# KiCad board minako.kicad_pcb
title: minako (美奈子); date: 2022-01-25; rev: 0.3; company: <3
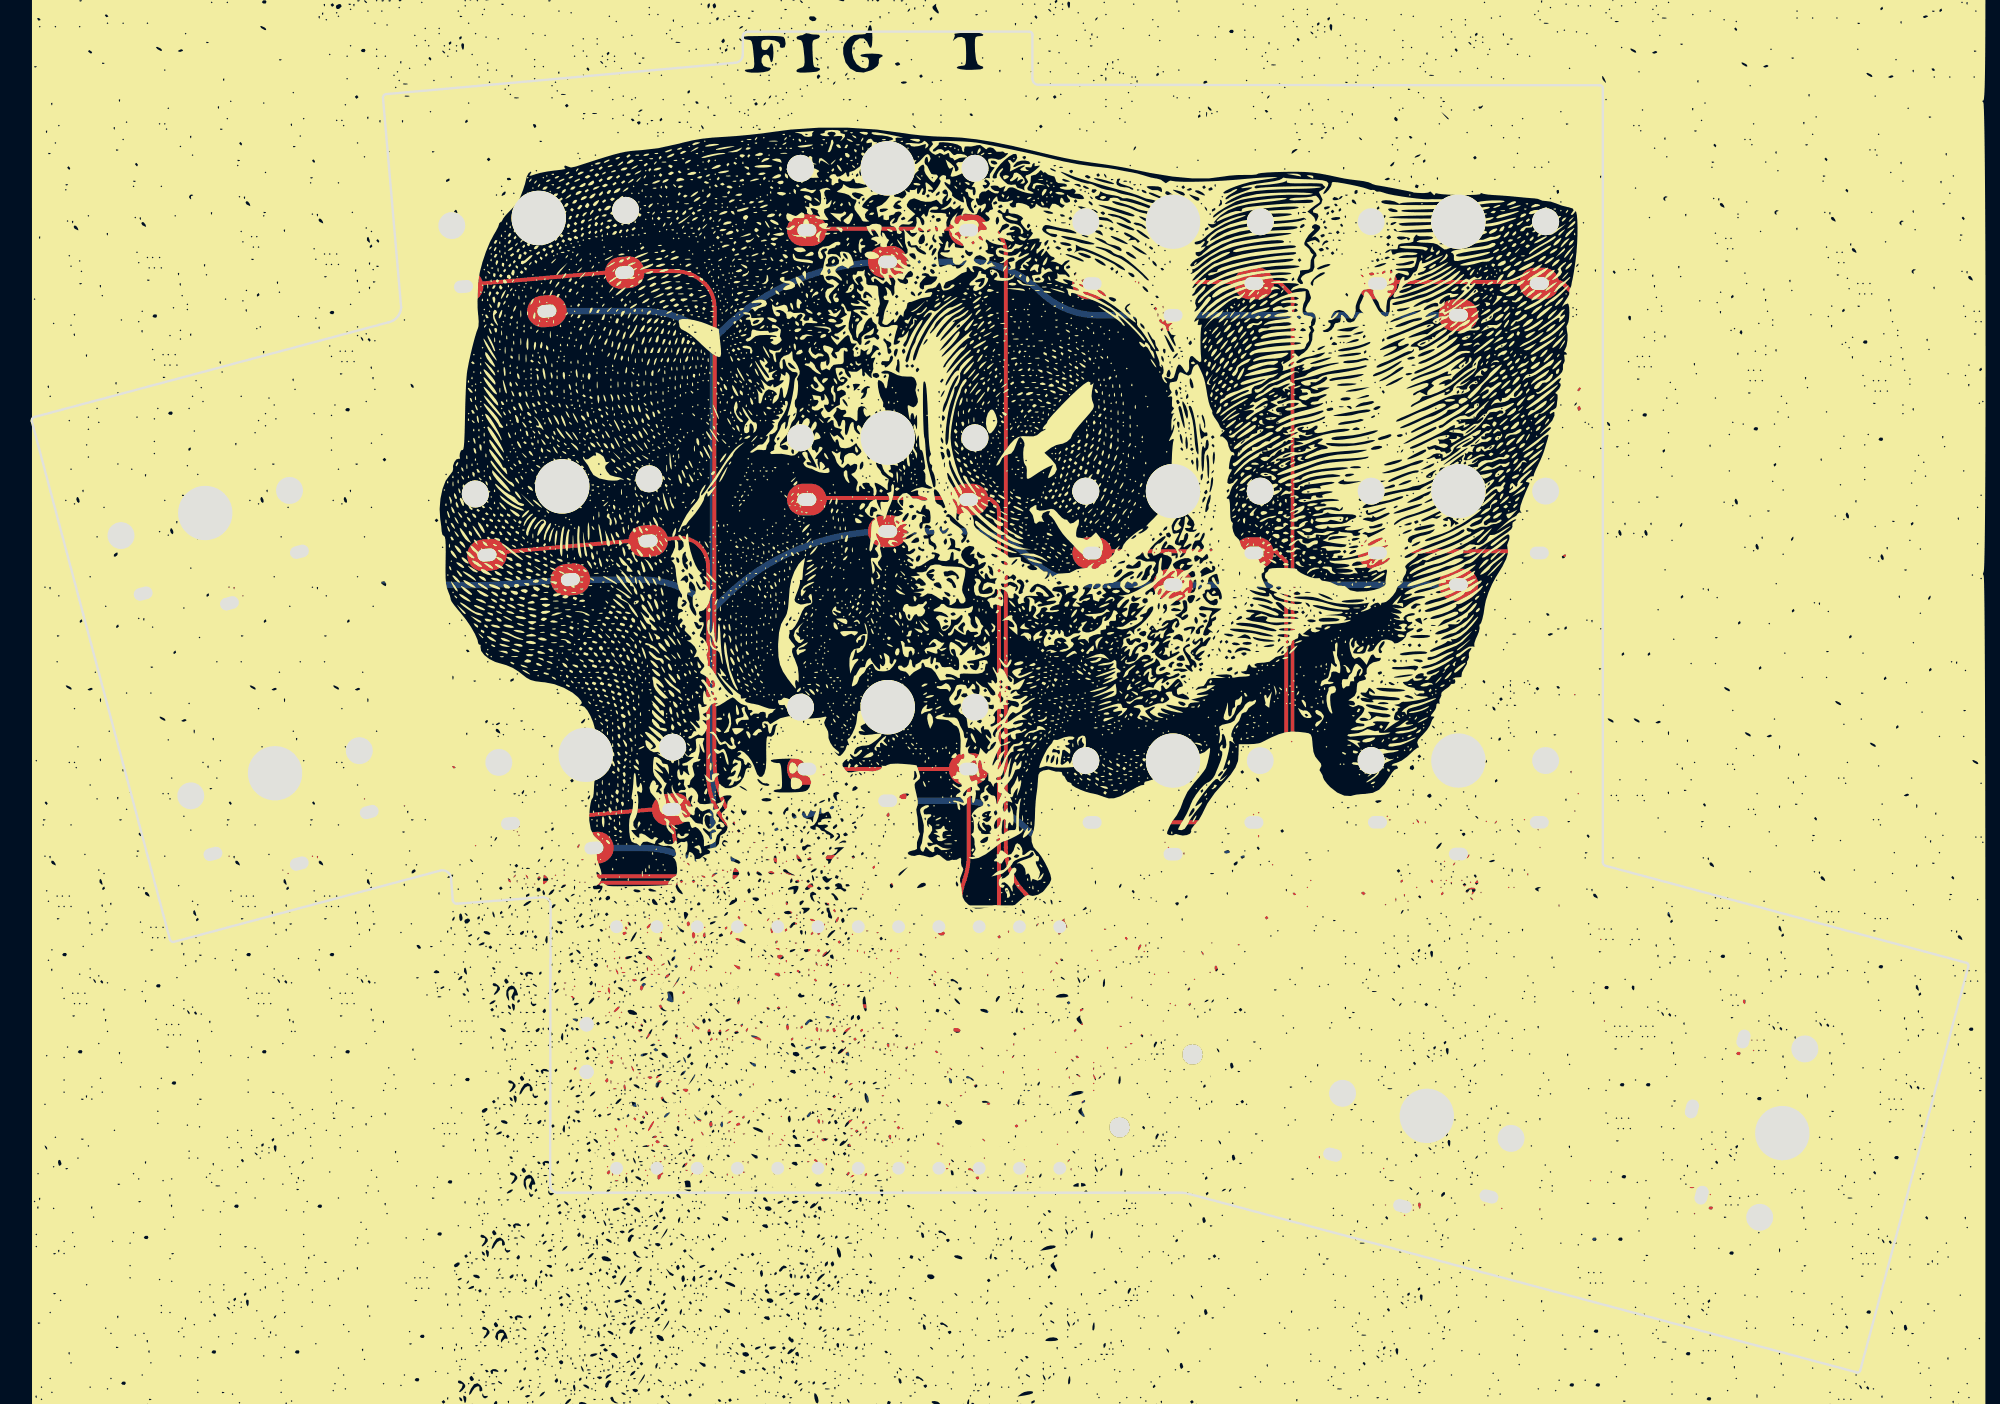
[diagram p0: board, top side]
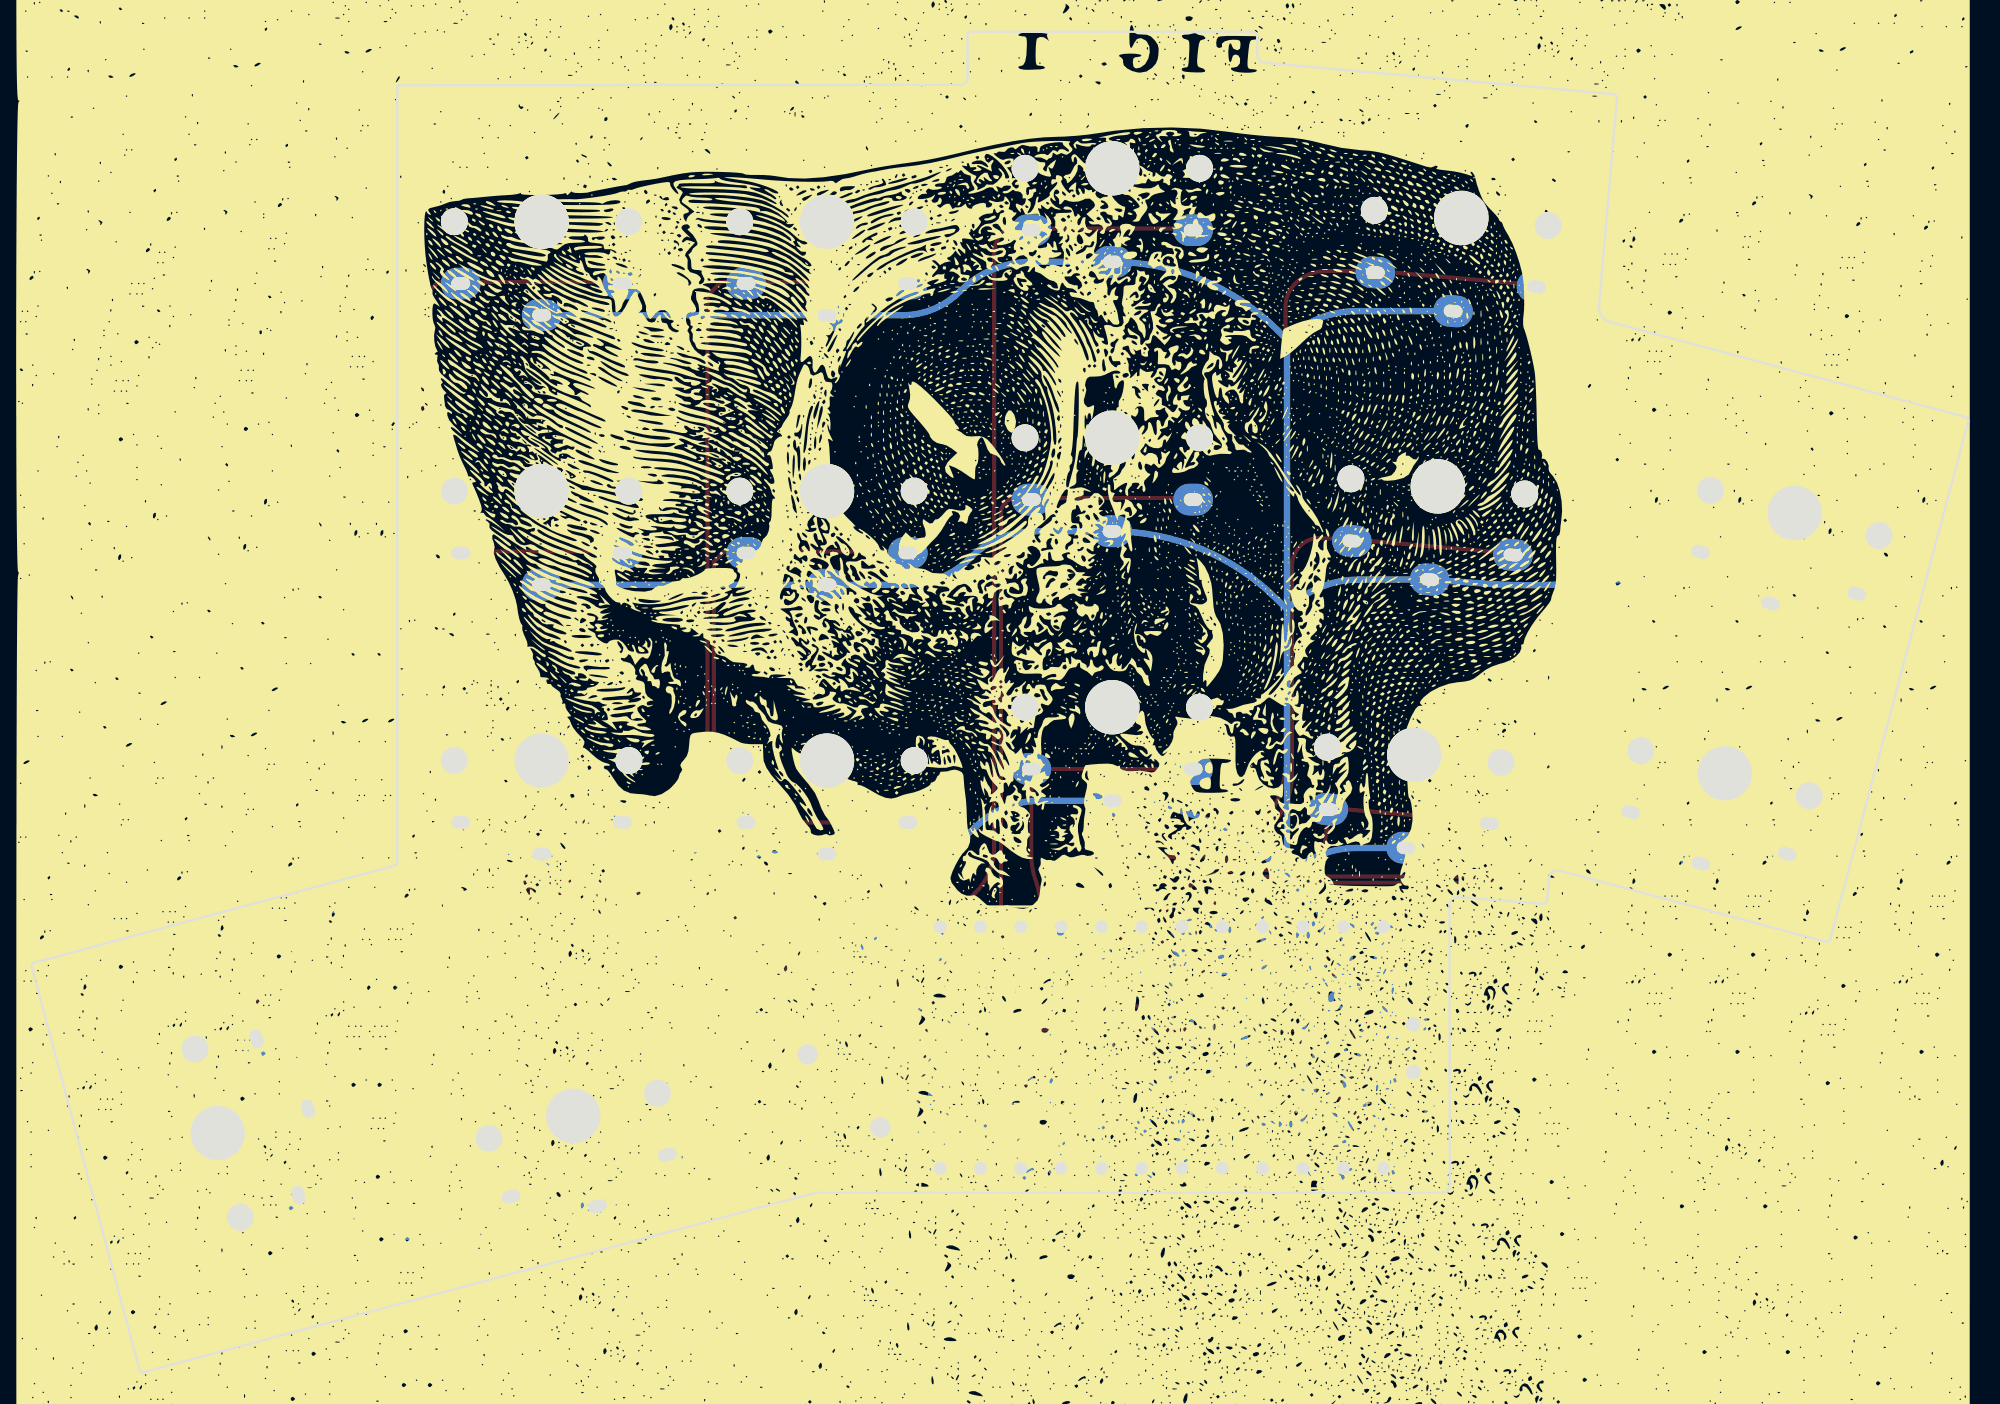
[diagram p1: board, bottom side, seen from below]

Outline 122.1 x 84.58 mm; copper layers: Top, Bottom. Coordinates in mm from the lower left corner of the outline.
Outline path: 0,60.02 arc(0.04,60.18) 0.18,60.27 22.48,66.24 arc(23.05,66.57) 23.29,67.18 22.15,80.39 arc(22.19,80.56) 22.35,80.65 44.33,82.62 arc(44.68,82.76) 44.83,83.11 44.83,84.27 arc(44.94,84.5) 45.18,84.58 62.88,84.58 arc(63.04,84.53) 63.09,84.38 63.09,81.61 arc(63.23,81.32) 63.53,81.23 98.83,81.2 arc(98.99,81.16) 99.06,81 99.06,32.18 arc(99.11,32.04) 99.24,31.95 122,25.83 arc(122.1,25.73) 122.1,25.58 115.29,0.13 arc(115.21,0.01) 115.06,0 72.97,11.25 arc(72.76,11.3) 72.54,11.33 33.15,11.33 arc(32.82,11.49) 32.69,11.84 32.72,29.54 arc(32.52,29.88) 32.13,29.97 26.82,29.57 arc(26.63,29.63) 26.54,29.82 26.44,31.14 arc(26.21,31.57) 25.73,31.65 8.94,27.15 arc(8.8,27.19) 8.71,27.31 0,60.02
Stack: Top 0.035mm / dielectric 1.51mm FR4 er 4.5 / Bottom 0.035mm

## Placement (name value [footprint] x y rotation side)
BT1  Battery_Cell  [Battery_pads_reversible]  68.41 27.51 0 top
G***  -  [LOGO]  61.54 44.88 0 top
G***#2  -  [LOGO]  61.54 44.88 180 bottom
PSW1  SW_SPDT  [Power_reversible]  34.98 20.45 270 top
SW1  SW_PUSH  [Choc_reversible]  10.94 54.22 15 top
SW2  SW_PUSH  [Choc_reversible]  31.97 72.83 5 top
SW3  SW_PUSH  [Choc_reversible]  53.97 75.96 0 top
SW4  SW_PUSH  [Choc_reversible]  71.96 72.59 0 top
SW5  SW_PUSH  [Choc_reversible]  89.95 72.59 0 top
SW6  SW_PUSH  [Choc_reversible]  15.34 37.8 15 top
SW7  SW_PUSH  [Choc_reversible]  33.45 55.89 5 top
SW8  SW_PUSH  [Choc_reversible]  53.97 58.96 0 top
SW9  SW_PUSH  [Choc_reversible]  71.96 55.59 0 top
SW10  SW_PUSH  [Choc_reversible]  89.95 55.59 0 top
SW11  SW_PUSH  [Choc_reversible]  34.93 38.96 5 top
SW12  SW_PUSH  [Choc_reversible]  53.97 41.96 0 top
SW13  SW_PUSH  [Choc_reversible]  71.96 38.59 0 top
SW14  SW_PUSH  [Choc_reversible]  89.95 38.6 0 top
SW15  SW_PUSH  [Choc_reversible_15u]  87.96 16.18 345 top
SW16  SW_PUSH  [Choc_reversible_15u]  110.37 15.09 255 top
SW17  SW_Push  [ResetSW]  70.89 17.75 225 top
U1  ProMicro  [ProMicro_jumpers]  50.85 20.49 90 top

## Library data of the parts
BT1 = -: Field4: BT01
PSW1 = -: Field4: SW01
SW17 = -: Field4: RESET; Field5: RESET

## Footprints (pads in the part's own frame, mm; a bottom-side part is the same pattern mirrored in y, then rotated)
Battery_pads_reversible
  rect 1.5x2.1 smd: 1(-1.1,0) 2(1.1,0)
  rect 1.5x2.1 smd far side: 1(-1.1,0) 2(1.1,0)
Choc_reversible
  round 1.702 hole 1.702 unplated: (-5.5,0) (5.5,0)
  round 3.429 hole 3.429 unplated: (0,0)
  oval 2.5x2 hole 1.2x0.8: 1(-5.1,-3.9) 1(5.1,-3.9) 2(0,-5.9)
Choc_reversible_15u
  round 1.702 hole 1.702 unplated: (-5.5,0) (5.5,0)
  round 3.429 hole 3.429 unplated: (0,0)
  oval 2.5x2 hole 1.2x0.8: 1(-5.1,-3.9) 1(5.1,-3.9) 2(0,-5.9)
Power_reversible
  rect 1x0.8 smd: (-3.65,1.1) (-3.65,-1.1) (3.65,1.1) (3.65,-1.1)
  rect 1x0.8 smd far side: (-3.65,1.1) (-3.65,-1.1) (3.65,1.1) (3.65,-1.1)
  round 0.9 hole 0.9 unplated: (-1.5,0) (-1.5,0) (1.5,0) (1.5,0)
  rect 0.7x1.5 smd: 1(-2.25,1.75) 2(0.75,1.75) 3(2.25,1.75)
  rect 0.7x1.5 smd far side: 1(2.25,1.75) 2(-0.75,1.75) 3(-2.25,1.75)
ProMicro_jumpers
  round 1.6 hole 0.813: (-7.62,13.97) (-7.62,11.43) (-7.62,8.89) (-7.62,6.35) (-7.62,3.81) (-7.62,1.27) (-7.62,-1.27) (-7.62,-3.81) (-7.62,-6.35) (-7.62,-8.89) (-7.62,-11.43) (-7.62,-13.97) (7.62,13.97) (7.62,11.43) (7.62,8.89) (7.62,6.35) (7.62,3.81) (7.62,1.27) (7.62,-1.27) (7.62,-3.81) (7.62,-6.35) (7.62,-8.89) (7.62,-11.43) (7.62,-13.97)
  custom 1x0.25 smd: (-6.35,13.97) (-6.35,11.43) (-6.35,8.89) (-6.35,6.35) (-6.35,3.81) (-6.35,1.27) (-6.35,-1.27) (-6.35,-3.81) (-6.35,-6.35) (-6.35,-8.89) (-6.35,-11.43) (-6.35,-13.97) (6.35,13.97) (6.35,11.43) (6.35,8.89) (6.35,6.35) (6.35,3.81) (6.35,1.27) (6.35,-1.27) (6.35,-3.81) (6.35,-6.35) (6.35,-8.89) (6.35,-11.43) (6.35,-13.97)
  custom 1x0.25 smd far side: (-6.35,13.97) (-6.35,11.43) (-6.35,8.89) (-6.35,6.35) (-6.35,3.81) (-6.35,1.27) (-6.35,-1.27) (-6.35,-3.81) (-6.35,-6.35) (-6.35,-8.89) (-6.35,-11.43) (-6.35,-13.97) (6.35,13.97) (6.35,11.43) (6.35,8.89) (6.35,6.35) (6.35,3.81) (6.35,1.27) (6.35,-1.27) (6.35,-3.81) (6.35,-6.35) (6.35,-8.89) (6.35,-11.43) (6.35,-13.97)
  custom 0.8x1.2 smd: (-5.842,13.97) (-5.842,11.43) (-5.842,8.89) (-5.842,6.35) (-5.842,3.81) (-5.842,1.27) (-5.842,-1.27) (-5.842,-3.81) (-5.842,-6.35) (-5.842,-8.89) (-5.842,-11.43) (-5.842,-13.97) (5.842,13.97) (5.842,11.43) (5.842,8.89) (5.842,6.35) (5.842,3.81) (5.842,1.27) (5.842,-1.27) (5.842,-3.81) (5.842,-6.35) (5.842,-8.89) (5.842,-11.43) (5.842,-13.97)
  custom 0.8x1.2 smd far side: (-5.842,13.97) (-5.842,11.43) (-5.842,8.89) (-5.842,6.35) (-5.842,3.81) (-5.842,1.27) (-5.842,-1.27) (-5.842,-3.81) (-5.842,-6.35) (-5.842,-8.89) (-5.842,-11.43) (-5.842,-13.97) (5.842,13.97) (5.842,11.43) (5.842,8.89) (5.842,6.35) (5.842,3.81) (5.842,1.27) (5.842,-1.27) (5.842,-3.81) (5.842,-6.35) (5.842,-8.89) (5.842,-11.43) (5.842,-13.97)
  custom 1.25x1.2 smd far side: 1(-4.826,13.97) 2(-4.826,11.43) 3(-4.826,8.89) 4(-4.826,6.35) 5(-4.826,3.81) 6(-4.826,1.27) 7(-4.826,-1.27) 8(-4.826,-3.81) 9(-4.826,-6.35) 10(-4.826,-8.89) 11(-4.826,-11.43) 12(-4.826,-13.97) 13(4.826,-13.97) 14(4.826,-11.43) 15(4.826,-8.89) 16(4.826,-6.35) 17(4.826,-3.81) 18(4.826,-1.27) 19(4.826,1.27) 20(4.826,3.81) 21(4.826,6.35) 22(4.826,8.89) 23(4.826,11.43) 24(4.826,13.97)
  custom 1.25x1.2 smd: 1(4.826,13.97) 2(4.826,11.43) 3(4.826,8.89) 4(4.826,6.35) 5(4.826,3.81) 6(4.826,1.27) 7(4.826,-1.27) 8(4.826,-3.81) 9(4.826,-6.35) 10(4.826,-8.89) 11(4.826,-11.43) 12(4.826,-13.97) 13(-4.826,-13.97) 14(-4.826,-11.43) 15(-4.826,-8.89) 16(-4.826,-6.35) 17(-4.826,-3.81) 18(-4.826,-1.27) 19(-4.826,1.27) 20(-4.826,3.81) 21(-4.826,6.35) 22(-4.826,8.89) 23(-4.826,11.43) 24(-4.826,13.97)
ResetSW
  round 2 hole 1.3: 1(3.25,0) 2(-3.25,0)

## Nets
GND: PSW1.2 SW1.2 SW2.2 SW3.2 SW4.2 SW5.2 SW6.2 SW7.2 SW8.2 SW9.2 SW10.2 SW11.2 SW12.2 SW13.2 SW14.2 SW15.2 SW16.2 SW17.2 U1.3 U1.4 U1.23
VCC: U1.21
raw: BT1.1 U1.24
reset: SW17.1 U1.22
switch1: SW1.1 U1.6
switch2: SW2.1 U1.9
switch3: SW3.1 U1.12
switch4: SW4.1 U1.18
switch5: SW5.1 U1.15
switch6: SW6.1 U1.5
switch7: SW7.1 U1.8
switch8: SW8.1 U1.11
switch9: SW9.1 U1.19
switch10: SW10.1 U1.16
switch11: SW11.1 U1.7
switch12: SW12.1 U1.10
switch13: SW13.1 U1.20
switch14: SW14.1 U1.17
switch15: SW15.1 U1.13
switch16: SW16.1 U1.14
Net-(BT1-Pad2): BT1.2 PSW1.1

Pads without a net: PSW1 3; U1 1 2

## Via types
v1: diameter 0.8, hole 0.4, Top to Bottom, 32 vias

## Routing (per net, layer and track width the routed paths; a pad name or vN(x,y) marks a point on that pad's centre or on a via; arc(x,y) is an arc through that point)
GND: length 356.8
  Top w0.4: v1(35.58,20.45) 36.19,19.85 arc(36.35,19.74) 36.54,19.7 PSW1.2 37.03,19.7 arc(37.22,19.66) 37.38,19.56 38.31,18.64 arc(38.47,18.53) 38.66,18.49 40.38,18.49 arc(40.57,18.45) 40.73,18.34 v1(41.96,17.12) 40.6,15.76 arc(40.44,15.66) 40.25,15.62 39.42,15.62 ; 44.5,25.27 41.96,25.27 42.02,25.27 arc(42.18,25.24) 42.33,25.17 43,24.49 v1(43,24.33)
  Bottom w0.4: 42.95,31.27 41.46,29.77 arc(40.89,28.92) 40.69,27.92 40.69,24.94 ; 42.95,31.27 43.34,31.66 arc(48.22,34.92) SW12.2 58.53,36.06 arc(60.76,35.62) 62.65,34.35 arc(64.46,33.14) 66.6,32.72 ; 42.95,31.27 42.95,48.13 ; 42.95,31.27 arc(40.94,32.61) 38.57,33.08 SW11.2 30.51,32.64 arc(28.87,32.63) 27.25,32.89 26.36,33.11 arc(23.42,33.47) 20.48,33.07 SW6.2 ; SW17.2 73.19,23.25 arc(72.4,27.2) 70.17,30.54 68,32.72 66.6,32.72 ; 44.5,15.62 42.46,15.62 arc(42.1,15.76) 41.96,16.12 v1(41.96,17.12) 41.88,17.19 41.88,22.26 arc(42,22.83) 42.32,23.32 43,23.99 v1(43,24.33) 43,24.45 42.91,24.53 arc(42.84,24.55) 42.77,24.57 41.48,24.57 arc(41.1,24.64) 40.77,24.86 40.69,24.94 ; 39.42,25.27 39.97,24.72 arc(40.1,24.62) 40.26,24.57 40.32,24.57 40.69,24.94 ; SW2.2 38.6,66.95 arc(40.96,66.48) 42.95,65.15 ; 42.95,48.13 43.57,48.75 arc(48.34,51.94) SW8.2 58.9,53.06 arc(61.06,52.63) 62.89,51.41 arc(64.79,50.14) 67.03,49.69 SW9.2 89.95,49.69 SW10.2 ; 42.95,48.13 42.95,65.15 ; 42.95,48.13 arc(40.87,49.53) 38.4,50.02 SW7.2 30.59,49.77 arc(27.36,49.66) 24.13,49.82 23.29,49.9 arc(18.98,49.9) 14.75,49.14 SW1.2 ; SW15.2 93.62,8.7 arc(97.12,8.39) 100.55,9.15 arc(102.52,10.53) 103.65,12.66 SW16.2 105.91,21.27 arc(106.19,23.69) 105.77,26.09 arc(104.65,28.02) 102.83,29.33 97.65,31.57 arc(95,32.41) 92.23,32.7 SW14.2 89.95,32.69 SW13.2 71.94,32.72 66.6,32.72 ; 42.95,65.15 43.54,65.74 arc(48.33,68.94) SW3.2 59.07,70.06 arc(61.51,69.58) 63.58,68.19 arc(65.24,67.08) 67.21,66.69 SW4.2 89.95,66.69 SW5.2 ; v1(35.58,20.45) 36.19,21.06 arc(36.35,21.16) 36.54,21.2 PSW1.2
VCC: length 10.9
  Top w0.4: 44.5,15.62 45.45,16.57 arc(45.55,16.71) 45.6,16.86 45.6,18.6 v1(45.62,18.62) 45.62,18.45 45.63,18.43
  Bottom w0.4: 45.64,18.8 45.62,18.78 v1(45.62,18.62) 45.6,18.63 45.6,23.96 arc(45.56,24.15) 45.46,24.31 44.5,25.27
raw: length 46.1
  Top w0.4: v1(40.05,17.62) 39.84,17.62 38.28,16.06 arc(37.8,15.73) 37.22,15.62 36.88,15.62 ; v1(67.31,27.51) 67.31,23.16 arc(67.25,22.85) 67.08,22.59 66.41,21.92 arc(66.15,21.75) 65.84,21.69 v1(40.23,21.69)
  Bottom w0.4: 36.88,25.27 37.5,24.65 arc(37.66,24.54) 37.85,24.5 39.11,24.5 arc(39.3,24.47) 39.47,24.36 40.07,23.75 arc(40.18,23.59) 40.22,23.4 40.22,17.99 arc(40.18,17.8) 40.07,17.64 v1(40.05,17.62)
reset: length 44.5
  Top w0.25: v1(66.42,15.44) 68.58,15.44 SW17.1 ; v1(66.32,23.11) 66.29,23.09 v1(44.81,23.09) ; v1(43.86,16.62) 43.01,15.76 arc(42.85,15.66) 42.65,15.62 41.96,15.62
  Bottom w0.25: v1(66.32,23.11) 66.32,15.54 v1(66.42,15.44) ; v1(43.86,16.62) 44.57,17.33 arc(44.74,17.59) 44.81,17.89 44.81,23.15 arc(44.74,23.45) 44.57,23.71 43.01,25.27 41.96,25.27
switch1: length 72.6
  Top w0.25: 49.58,25.27 49.58,25.11 arc(49.54,24.92) 49.43,24.76 v1(48.94,24.27) 48.49,24.72 arc(48.32,24.98) 48.26,25.28 48.26,28.11 arc(48.13,28.75) 47.77,29.29 47.22,29.85 arc(45.62,30.91) 43.74,31.29 30.84,31.29 arc(30.07,31.44) 29.41,31.88 27.82,33.47 arc(27.2,34.35) 26.9,35.38 25.42,48.11 arc(24.73,49.9) 23.27,51.15 22.35,51.59 arc(20.4,52.17) 18.37,52.09 SW1.1 SW1.1
  Bottom w0.25: v1(48.94,24.27) 48.94,17.12 48.94,16.46 arc(48.98,16.27) 49.09,16.11 49.58,15.62
switch2: length 78.4
  Top w0.25: 27.32,68.61 37.28,69.48 40.52,69.48 arc(41.56,69.27) 42.44,68.69 arc(42.89,68.01) 43.05,67.2 43.05,59.08 43.05,59.07 43.05,38.59 arc(43.52,36.18) 44.89,34.14 arc(46.7,32.93) 48.84,32.51 50.61,32.51 arc(52.51,32.13) 54.11,31.06 54.91,30.25 arc(55.61,29.21) 55.85,27.98 55.85,25.31 arc(55.92,25) 56.09,24.74 v1(56.56,24.27) 57.05,24.76 arc(57.16,24.92) 57.2,25.11 57.2,25.27
  Bottom w0.25: 57.2,15.62 56.71,16.11 arc(56.6,16.27) 56.56,16.46 v1(56.56,24.27)
switch3: length 70.8
  Top w0.25: 48.97,72.16 60.3,72.16 arc(60.61,72.1) 60.86,71.93 arc(61.27,71.31) 61.42,70.59 61.42,33.12 arc(61.73,31.57) 62.6,30.26 62.65,30.21 arc(63.28,29.27) 63.5,28.16 63.5,25.17 arc(63.56,24.86) 63.73,24.6 v1(64.11,24.23) 64.58,24.7 arc(64.76,24.96) 64.82,25.27 64.82,25.27
  Bottom w0.25: 64.82,15.62 64.38,16.05 arc(64.27,16.21) 64.24,16.41 64.24,24.1 v1(64.11,24.23)
switch4: length 91.6
  Top w0.25: 66.96,68.79 78.63,68.79 79.5,67.92 79.5,32.89 arc(79.45,32.66) 79.32,32.47 66.84,19.99 arc(66.64,19.86) 66.42,19.81 56.2,19.81 arc(55.97,19.77) 55.77,19.64 v1(52.75,16.62) 52.26,16.13 arc(52.16,15.97) 52.12,15.78 52.12,15.62
  Bottom w0.25: 52.12,25.27 52.61,24.78 arc(52.71,24.62) 52.75,24.43 v1(52.75,16.62)
switch5: length 101.4
  Top w0.25: 59.74,15.62 59.74,15.78 arc(59.78,15.97) 59.88,16.13 v1(60.37,16.62) 62.19,18.44 arc(62.39,18.57) 62.62,18.62 66.91,18.62 arc(67.14,18.66) 67.34,18.79 78.56,30.02 arc(78.76,30.15) 78.99,30.19 93.99,30.19 arc(94.22,30.24) 94.41,30.37 97.4,33.36 arc(97.53,33.55) 97.58,33.78 97.58,67.34 97.58,67.42 97.55,67.57 97.49,67.72 97.4,67.85 97.35,67.91 96.69,68.56 96.64,68.61 96.5,68.7 96.36,68.76 96.2,68.79 96.13,68.79 84.95,68.79
  Bottom w0.25: v1(60.37,16.62) 60.37,24.43 arc(60.33,24.62) 60.23,24.78 59.74,25.27
switch6: length 52.2
  Top w0.25: 47.04,25.27 47.04,25.11 arc(47,24.92) 46.89,24.76 v1(46.4,24.27) 46.01,24.67 arc(45.83,24.93) 45.77,25.23 45.77,28.09 arc(45.62,28.84) 45.2,29.48 45.15,29.52 arc(43.64,30.53) 41.86,30.89 30.57,30.89 arc(29.89,31.02) 29.32,31.4 25.6,35.13 arc(24.43,35.8) 23.08,35.81 SW6.1 SW6.1
  Bottom w0.25: 47.04,15.62 46.87,15.79 arc(46.76,15.95) 46.72,16.14 46.72,23.75 arc(46.68,23.94) 46.57,24.1 v1(46.4,24.27)
switch7: length 58
  Top w0.25: 54.66,25.27 54.66,25.11 arc(54.62,24.92) 54.51,24.76 v1(54.02,24.27) 53.6,24.69 arc(53.43,24.95) 53.37,25.26 53.37,28.36 arc(53.2,29.19) 52.73,29.9 52.11,30.52 arc(50.35,31.69) 48.28,32.11 arc(46.51,32.46) 45,33.46 43.95,34.51 arc(42.99,35.96) 42.65,37.67 42.65,50.85 arc(42.51,51.55) 42.1,52.15 arc(41.58,52.51) 40.96,52.63 arc(40.94,52.63) 40.93,52.63 38.76,52.54 28.8,51.67
  Bottom w0.25: 54.66,15.62 54.17,16.11 arc(54.06,16.27) 54.02,16.46 v1(54.02,24.27)
switch8: length 52.9
  Top w0.25: 48.97,55.16 60.08,55.16 arc(60.38,55.1) 60.64,54.93 60.75,54.82 arc(60.92,54.56) 60.99,54.25 60.99,25.26 arc(61.05,24.95) 61.22,24.69 v1(61.64,24.27) 62.13,24.76 arc(62.24,24.92) 62.28,25.11 62.28,25.27
  Bottom w0.25: v1(61.64,24.27) 61.64,16.46 arc(61.68,16.27) 61.79,16.11 62.28,15.62
switch9: length 76.5
  Top w0.25: 66.96,51.79 78.43,51.79 79.1,51.13 79.1,33.06 arc(79.05,32.83) 78.92,32.63 66.67,20.39 arc(66.48,20.26) 66.25,20.21 53.84,20.21 arc(53.61,20.17) 53.41,20.04 50.21,16.84 v1(50.21,16.62) 49.72,16.13 arc(49.62,15.97) 49.58,15.78 49.58,15.62
  Bottom w0.25: v1(50.21,16.62) 50.21,24.43 arc(50.17,24.62) 50.07,24.78 49.58,25.27
switch10: length 86.3
  Top w0.25: 84.95,51.79 96.13,51.79 96.21,51.79 96.37,51.76 96.51,51.7 96.64,51.61 96.7,51.56 96.95,51.31 97,51.26 97.09,51.13 97.15,50.98 97.18,50.83 97.18,50.75 97.18,33.95 arc(97.13,33.72) 97,33.52 94.25,30.77 arc(94.05,30.64) 93.82,30.59 78.82,30.59 arc(78.59,30.55) 78.4,30.42 67.17,19.19 arc(66.98,19.06) 66.75,19.01 60.48,19.01 arc(60.25,18.97) 60.05,18.84 v1(57.83,16.62) 57.34,16.13 arc(57.24,15.97) 57.2,15.78 57.2,15.62
  Bottom w0.25: 57.2,25.27 57.69,24.78 arc(57.79,24.62) 57.83,24.43 v1(57.83,16.62)
switch11: length 39.3
  Top w0.25: 30.28,34.74 40.24,35.61 40.6,33.27 arc(40.78,32.68) 41.14,32.19 arc(41.7,31.82) 42.36,31.69 45.72,31.69 arc(48.03,31.23) 49.99,29.92 50.26,29.64 arc(50.7,28.99) 50.85,28.23 50.85,25.23 arc(50.91,24.93) 51.09,24.67 v1(51.48,24.27) 51.97,24.76 arc(52.08,24.92) 52.12,25.11 52.12,25.27
  Bottom w0.25: 52.12,15.62 51.63,16.11 arc(51.52,16.27) 51.48,16.46 v1(51.48,24.27)
switch12: length 34.5
  Top w0.25: SW12.1 SW12.1 59.08,32.67 arc(59.01,31.86) 58.81,31.07 arc(58.5,29.83) 58.39,28.55 58.39,25.31 arc(58.46,25) 58.63,24.74 v1(59.1,24.27) 59.59,24.76 arc(59.7,24.92) 59.74,25.11 59.74,25.27
  Bottom w0.25: 59.74,15.62 59.25,16.11 arc(59.14,16.27) 59.1,16.46 v1(59.1,24.27)
switch13: length 59.1
  Top w0.25: 47.04,15.62 47.04,15.78 arc(47.08,15.97) 47.18,16.13 v1(47.67,16.62) 51.49,20.44 arc(51.69,20.57) 51.92,20.61 66.08,20.61 arc(66.31,20.66) 66.51,20.79 76.88,31.16 arc(77.01,31.36) 77.06,31.59 SW13.1 SW13.1
  Bottom w0.25: v1(47.67,16.62) 47.67,24.43 arc(47.63,24.62) 47.53,24.78 47.04,25.27
switch14: length 69
  Top w0.25: 54.66,15.62 54.66,15.78 arc(54.7,15.97) 54.8,16.13 v1(55.29,16.62) 57.91,19.24 57.97,19.29 58.11,19.37 58.26,19.41 58.34,19.41 66.58,19.41 66.66,19.42 66.81,19.46 66.95,19.54 67,19.59 78.23,30.82 arc(78.43,30.95) 78.65,30.99 93.66,30.99 arc(93.89,31.04) 94.08,31.17 94.88,31.96 arc(95.01,32.16) 95.05,32.38 SW14.1 SW14.1
  Bottom w0.25: 54.66,25.27 55.15,24.78 arc(55.25,24.62) 55.29,24.43 v1(55.29,16.62)
switch15: length 82.7
  Top w0.25: SW15.1 SW15.1 95,10.34 95.16,10.3 95.48,10.27 95.8,10.27 96.11,10.32 96.42,10.41 96.72,10.53 97,10.69 97.25,10.89 97.37,11 97.54,11.17 97.86,11.55 98.14,11.95 98.39,12.38 98.6,12.83 98.77,13.29 98.9,13.77 98.99,14.26 99.03,14.75 99.04,15 99.04,21.23 99.04,26.81 99.04,26.97 99,27.28 98.92,27.58 98.8,27.87 98.64,28.14 98.45,28.39 98.34,28.5 98.22,28.62 97.95,28.83 97.66,29.01 97.35,29.16 97.03,29.28 96.7,29.35 96.35,29.39 96.18,29.39 79.32,29.39 arc(79.09,29.35) 78.89,29.22 67.67,17.99 arc(67.47,17.86) 67.24,17.82 67.06,17.82 arc(66.83,17.77) 66.64,17.64 v1(65.47,16.48) 65.47,16.45 64.82,15.79 64.82,15.62
  Bottom w0.25: v1(65.47,16.48) 65.45,16.5 65.45,24.43 arc(65.41,24.62) 65.31,24.78 64.82,25.27
switch16: length 75.6
  Top w0.25: SW16.1 SW16.1 arc(107.89,23.46) 106.61,25.54 105.38,26.69 arc(101.74,28.99) 97.51,29.79 79.15,29.79 arc(78.92,29.75) 78.73,29.62 67.5,18.39 arc(67.31,18.26) 67.08,18.22 64.76,18.22 arc(64.53,18.17) 64.33,18.04 v1(62.91,16.62) 62.42,16.13 arc(62.32,15.97) 62.28,15.78 62.28,15.62
  Bottom w0.25: v1(62.91,16.62) 62.91,24.43 arc(62.87,24.62) 62.77,24.78 62.28,25.27
Net-(BT1-Pad2): length 42.1
  Top w0.25: PSW1.1 37.22,22.7 arc(37.41,22.66) 37.57,22.56 v1(38.41,21.72) 38.94,21.19 39,21.13 39.14,21.05 39.29,21.01 39.37,21.01 65.92,21.01 66,21.01 66.15,21.05 66.29,21.13 66.34,21.19 69.33,24.18 arc(69.46,24.37) 69.51,24.6 BT1.2
  Bottom w0.25: PSW1.1 38.26,19.73 arc(38.37,19.89) 38.41,20.08 v1(38.41,21.72)
  vias: v1(69.49,27.51)
unconnected-(PSW1-Pad3): length 9
  Top w0.25: PSW1.3 34.86,18.2 arc(34.67,18.24) 34.51,18.35 34.33,18.53 arc(34.22,18.69) 34.18,18.88 v1(34.18,20.45)
  Bottom w0.25: PSW1.3 34.85,22.7 arc(34.66,22.66) 34.49,22.56 34.33,22.39 arc(34.22,22.23) 34.18,22.04 v1(34.18,20.45)
unconnected-(U1-Pad1): length 12
  Top w0.25: 36.88,25.27 37.21,25.27 arc(37.4,25.23) 37.56,25.12 v1(39.42,23.27)
  Bottom w0.25: v1(39.42,23.27) 39.33,23.18 39.33,18.28 arc(39.29,18.08) 39.18,17.92 36.88,15.62
unconnected-(U1-Pad2): length 11.4
  Top w0.25: 39.42,25.27 39.61,25.27 arc(39.81,25.23) 39.97,25.12 v1(41.32,23.77)
  Bottom w0.25: 39.42,15.62 41.09,17.29 arc(41.19,17.45) 41.23,17.64 41.23,23.68 v1(41.32,23.77)

## Text on the board
B.Mask: 美奈子
F.Mask: 美奈子
